# Allegro board 8880F5-0823_1_redwan.brd (continued)
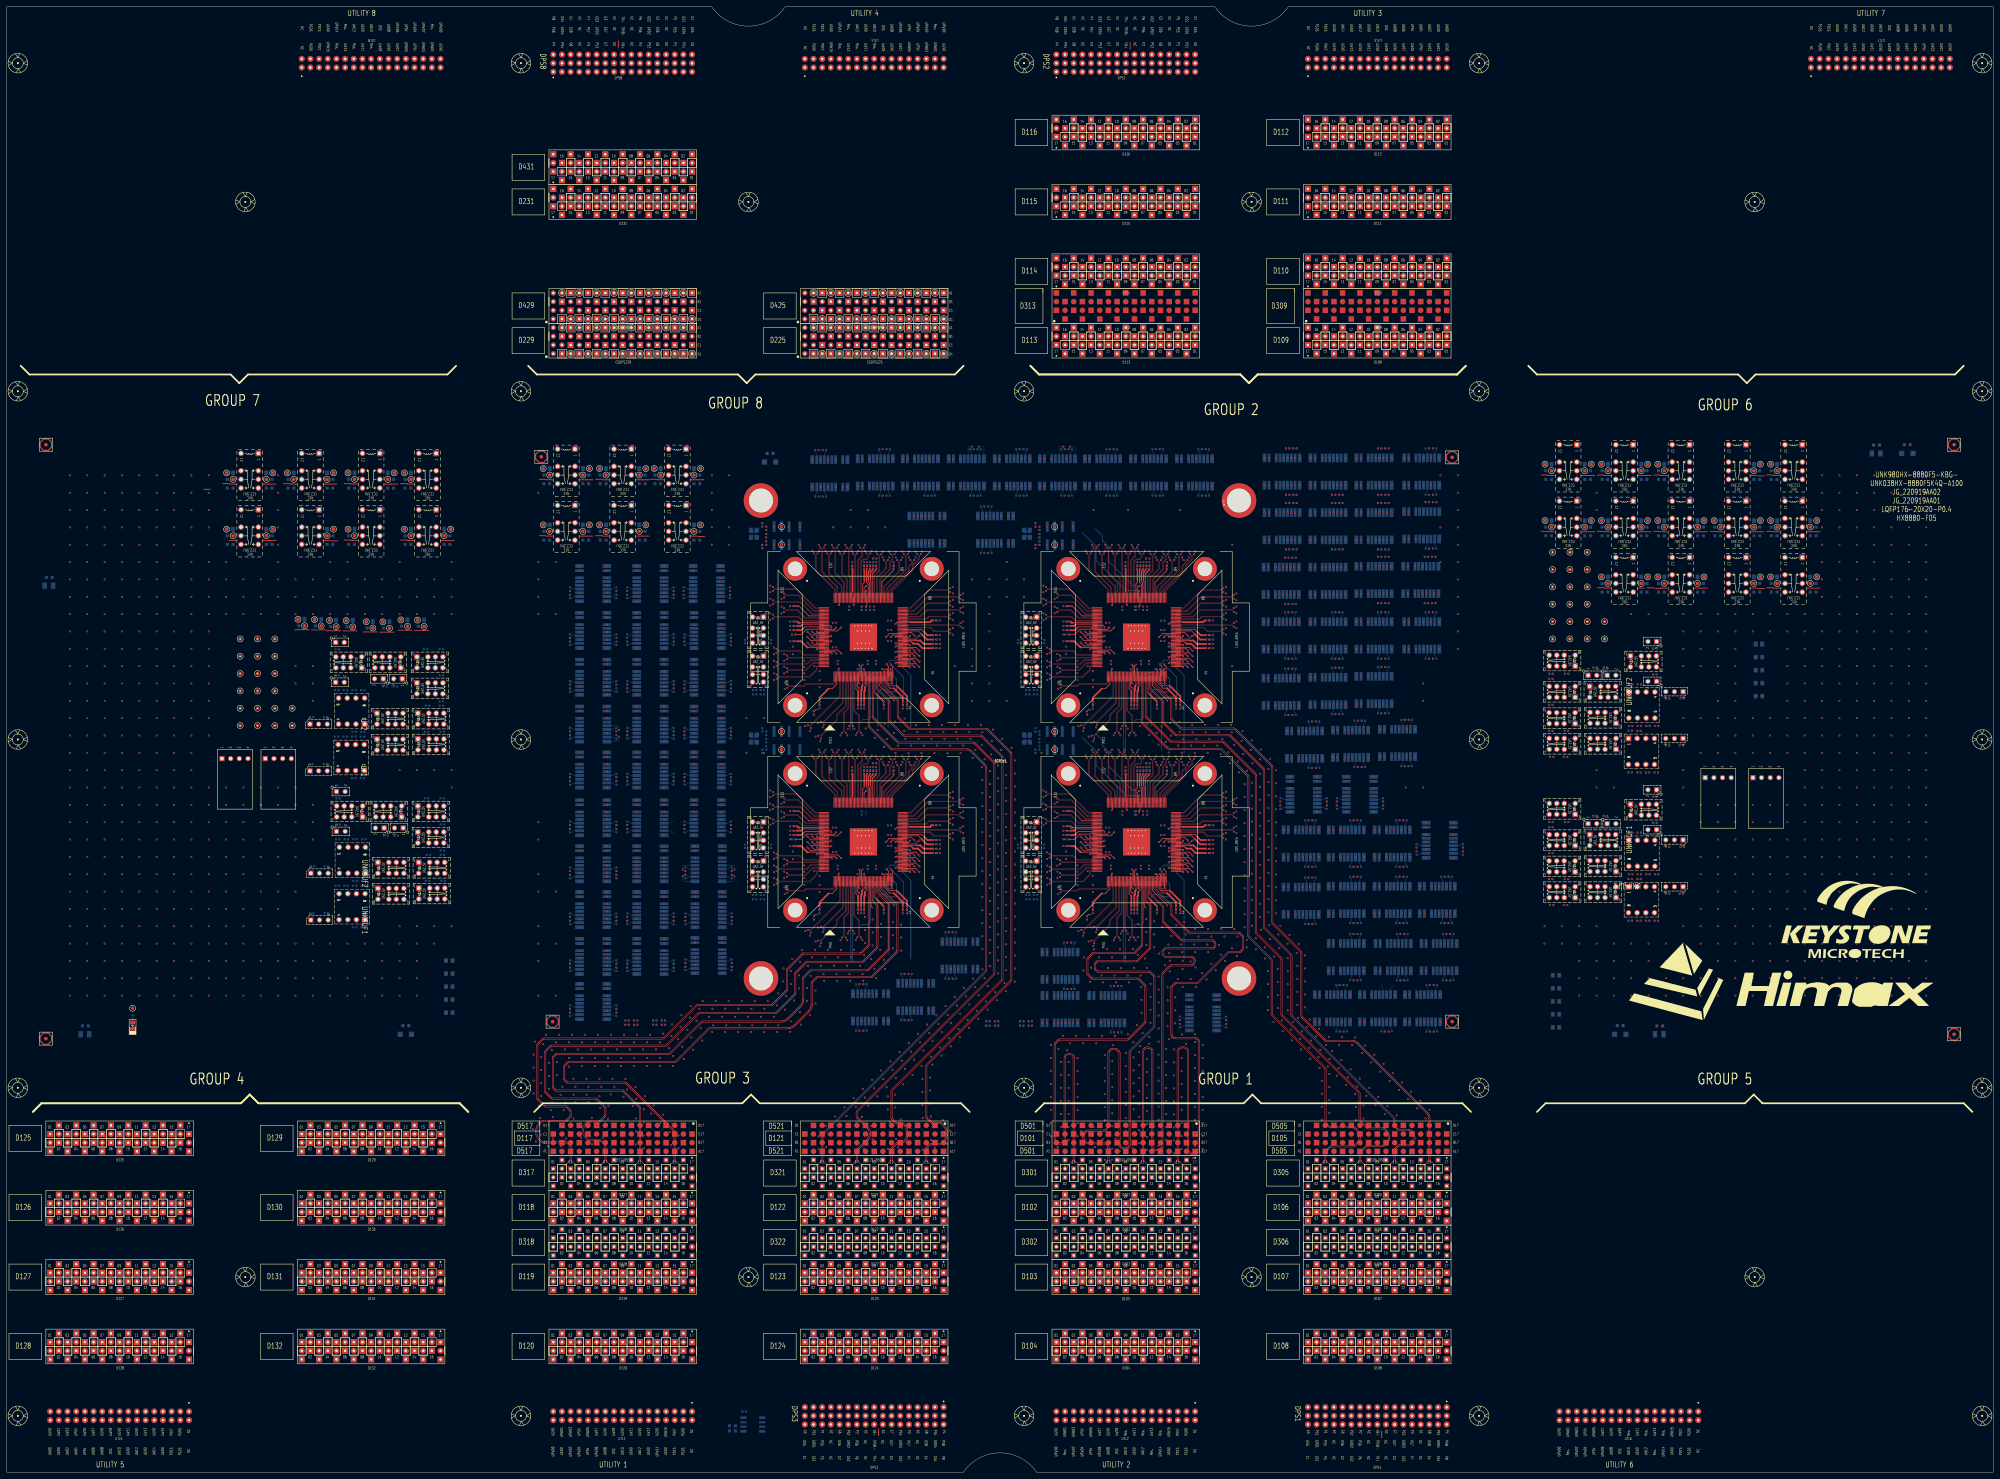
[diagram p0: board, top side]
## Placement (name value [footprint] x y rotation side) (continued)
NOREF#1973  -  []  298.13 274.06 90 top
NOREF#1974  -  []  383.83 209.11 0 top
NOREF#1975  -  []  182.82 189.04 90 top
NOREF#1976  -  []  369.38 241.11 0 top
NOREF#1977  -  []  165.8 158.5 0 top
NOREF#1978  -  []  383.83 194.68 90 top
NOREF#1979  -  []  322.62 139.64 0 top
NOREF#1980  -  []  386.46 139.89 0 top
NOREF#1981  -  []  259.65 205.86 90 top
NOREF#1982  -  []  352.25 184.86 90 top
NOREF#1983  -  []  314.33 228.13 90 top
NOREF#1984  -  []  259.84 133.29 90 top
NOREF#1985  -  []  461.96 210.36 0 top
NOREF#1986  -  []  259.84 145.09 0 top
NOREF#1987  -  []  105.93 204.27 90 top
NOREF#1988  -  []  390.34 192.28 90 top
NOREF#1989  -  []  340.61 286.96 90 top
NOREF#1990  -  []  168.13 145.38 90 top
NOREF#1991  -  []  404.15 273.11 0 top
NOREF#1992  -  []  118.74 215.34 0 top
NOREF#1993  -  []  409.74 163.69 90 top
NOREF#1994  -  []  167.7 176.66 90 top
NOREF#1995  -  []  346.27 135.17 90 top
NOREF#1996  -  []  450.03 166.93 0 top
NOREF#1997  -  []  317.66 224.72 0 top
NOREF#1998  -  []  230.41 253.37 90 top
NOREF#1999  -  []  330.17 165.04 90 top
NOREF#2000  -  []  412.62 297.12 0 top
NOREF#2001  -  []  343.2 172.26 90 top
NOREF#2002  -  []  108.01 214.71 0 top
NOREF#2003  -  []  167.7 201.89 90 top
NOREF#2004  -  []  403.99 171.64 0 top
NOREF#2005  -  []  317.98 223.82 90 top
NOREF#2006  -  []  383.09 257.11 0 top
NOREF#2007  -  []  175.7 246.08 90 top
NOREF#2008  -  []  456.04 222.5 0 top
NOREF#2009  -  []  222.11 180.71 0 top
NOREF#2010  -  []  351.04 184.23 0 top
NOREF#2011  -  []  106.36 190.55 0 top
NOREF#2012  -  []  451.68 171.53 0 top
NOREF#2013  -  []  127.84 167.9 90 top
NOREF#2014  -  []  167.7 151.68 90 top
NOREF#2015  -  []  419.4 171.64 0 top
NOREF#2016  -  []  209.49 164.3 90 top
NOREF#2017  -  []  409.49 180.15 0 top
NOREF#2018  -  []  472.86 174.55 90 top
NOREF#2019  -  []  263.63 223.82 90 top
NOREF#2020  -  []  221.56 190.49 0 top
NOREF#2021  -  []  94.93 190.55 0 top
NOREF#2022  -  []  331.62 265.56 90 top
NOREF#2023  -  []  554.86 298.45 0 top
NOREF#2024  -  []  201.23 241.43 0 top
NOREF#2025  -  []  415.1 163.64 0 top
NOREF#2026  -  []  397.38 163.64 90 top
NOREF#2027  -  []  295.96 188.49 0 top
NOREF#2028  -  []  118.96 179.19 0 top
NOREF#2029  -  []  220.36 248.49 0 top
NOREF#2030  -  []  337.9 186.99 0 top
NOREF#2031  -  []  252.6 296.86 0 top
NOREF#2032  -  []  201.23 233.47 90 top
NOREF#2033  -  []  511.59 276.41 90 top
NOREF#2034  -  []  122.41 178.64 0 top
NOREF#2035  -  []  250.74 164.72 0 top
NOREF#2036  -  []  254.29 205.55 0 top
NOREF#2037  -  []  229.51 243.41 0 top
NOREF#2038  -  []  230.43 248.88 0 top
NOREF#2039  -  []  234.7 298.51 0 top
NOREF#2040  -  []  300.36 248.49 0 top
NOREF#2041  -  []  384.36 131.89 0 top
NOREF#2042  -  []  352.25 183.59 90 top
NOREF#2043  -  []  310.41 193.37 90 top
NOREF#2044  -  []  305.94 296.86 0 top
NOREF#2045  -  []  272.25 182.32 90 top
NOREF#2046  -  []  306.71 152.34 0 top
NOREF#2047  -  []  383.73 195.88 90 top
NOREF#2048  -  []  333.4 265.55 0 top
NOREF#2049  -  []  296.81 275.94 0 top
NOREF#2050  -  []  379.52 188.15 0 top
NOREF#2051  -  []  201.66 186.02 90 top
NOREF#2052  -  []  459.28 227 90 top
NOREF#2053  -  []  339.33 265.55 0 top
NOREF#2054  -  []  310.41 248.88 90 top
NOREF#2055  -  []  226.83 209.63 90 top
NOREF#2056  -  []  448.94 292.92 90 top
NOREF#2057  -  []  343.95 223.52 90 top
NOREF#2058  -  []  271.04 249.18 0 top
NOREF#2059  -  []  184.47 192.32 90 top
NOREF#2060  -  []  250.49 224.74 90 top
NOREF#2061  -  []  420.62 271.47 90 top
NOREF#2062  -  []  390.69 289.12 0 top
NOREF#2063  -  []  310.83 164.63 0 top
NOREF#2064  -  []  211.11 173.86 90 top
NOREF#2065  -  []  412.62 281.37 0 top
NOREF#2066  -  []  201.49 151.93 90 top
NOREF#2067  -  []  272.24 249.18 90 top
NOREF#2068  -  []  351.04 181.69 0 top
NOREF#2069  -  []  230.43 247.61 0 top
NOREF#2070  -  []  392.24 194.78 90 top
NOREF#2071  -  []  199.33 226.57 90 top
NOREF#2072  -  []  310.41 186.34 90 top
NOREF#2073  -  []  295.96 177.06 0 top
NOREF#2074  -  []  352.24 242.32 90 top
NOREF#2075  -  []  310.43 248.88 90 top
NOREF#2076  -  []  119.95 187.53 0 top
NOREF#2077  -  []  249.85 224.72 0 top
NOREF#2078  -  []  459.24 175.86 90 top
NOREF#2079  -  []  245.15 288.66 90 top
NOREF#2080  -  []  247.25 265.55 0 top
NOREF#2081  -  []  271.04 241.69 0 top
NOREF#2082  -  []  408.02 239.21 0 top
NOREF#2083  -  []  101.82 271.33 90 top
NOREF#2084  -  []  330.17 163.82 90 top
NOREF#2085  -  []  118.99 166.5 90 top
NOREF#2086  -  []  309.51 186.66 0 top
NOREF#2087  -  []  271.34 241.37 0 top
NOREF#2088  -  []  450.03 182.17 0 top
NOREF#2089  -  []  396.55 225.11 0 top
NOREF#2090  -  []  223.15 211.32 90 top
NOREF#2091  -  []  336.77 225.04 90 top
NOREF#2092  -  []  394 217.36 0 top
NOREF#2093  -  []  175.7 189.02 90 top
NOREF#2094  -  []  295.96 188.49 0 top
NOREF#2095  -  []  209.23 230.17 90 top
NOREF#2096  -  []  339.97 204.35 90 top
NOREF#2097  -  []  388.43 163.64 0 top
NOREF#2098  -  []  420.15 131.44 90 top
NOREF#2099  -  []  392.73 188.15 0 top
NOREF#2100  -  []  272.24 249.18 90 top
NOREF#2101  -  []  334.29 205.55 0 top
NOREF#2102  -  []  177.33 187.32 90 top
NOREF#2103  -  []  461.86 187.32 0 top
NOREF#2104  -  []  352.24 183.59 90 top
NOREF#2105  -  []  192.57 256.4 90 top
NOREF#2106  -  []  261.63 233.83 90 top
NOREF#2107  -  []  313.98 131.09 90 top
NOREF#2108  -  []  341.63 255.43 90 top
NOREF#2109  -  []  165.8 131.57 0 top
NOREF#2110  -  []  271.34 245.18 0 top
NOREF#2111  -  []  415.61 181.32 90 top
NOREF#2112  -  []  392.24 199.18 90 top
NOREF#2113  -  []  471.11 186.77 0 top
NOREF#2114  -  []  396.55 225.11 0 top
NOREF#2115  -  []  415.6 146.88 0 top
NOREF#2116  -  []  167.7 258.7 90 top
NOREF#2117  -  []  167.7 161 90 top
NOREF#2118  -  []  351.04 189.18 0 top
NOREF#2119  -  []  400.24 195.88 90 top
NOREF#2120  -  []  119.7 238.84 0 top
NOREF#2121  -  []  254.29 205.56 0 top
NOREF#2122  -  []  199.08 254 90 top
NOREF#2123  -  []  271.82 134.74 90 top
NOREF#2124  -  []  319.33 176.03 0 top
NOREF#2125  -  []  449.99 174.46 0 top
NOREF#2126  -  []  352.25 181.69 0 top
NOREF#2127  -  []  409.17 281.37 0 top
NOREF#2128  -  []  390.53 146.88 0 top
NOREF#2129  -  []  313.56 144.34 90 top
NOREF#2130  -  []  259.65 204.65 90 top
NOREF#2131  -  []  401.89 180.15 0 top
NOREF#2132  -  []  192.57 201.79 90 top
NOREF#2133  -  []  262.04 164.74 0 top
NOREF#2134  -  []  334.61 204.65 90 top
NOREF#2135  -  []  342.08 290.13 90 top
NOREF#2136  -  []  228.36 202.16 45 top
NOREF#2137  -  []  127.7 238.84 0 top
NOREF#2138  -  []  273.81 286.96 90 top
NOREF#2139  -  []  175.8 160.9 90 top
NOREF#2140  -  []  229.21 187.61 0 top
NOREF#2141  -  []  120.24 171.1 0 top
NOREF#2142  -  []  405.5 257.37 90 top
NOREF#2143  -  []  257.9 246.99 0 top
NOREF#2144  -  []  473.79 234.49 90 top
NOREF#2145  -  []  251.62 205.56 0 top
NOREF#2146  -  []  451.68 195.91 0 top
NOREF#2147  -  []  182.57 254 0 top
NOREF#2148  -  []  252.51 205.56 90 top
NOREF#2149  -  []  167.7 229.07 90 top
NOREF#2150  -  []  408.28 129.99 0 top
NOREF#2151  -  []  451.68 239.34 0 top
NOREF#2152  -  []  383.09 224.85 0 top
NOREF#2153  -  []  122.15 222.33 0 top
NOREF#2154  -  []  230.41 248.88 90 top
NOREF#2155  -  []  257.09 163.52 90 top
NOREF#2156  -  []  175.7 175.56 90 top
NOREF#2157  -  []  115.61 191.95 0 top
NOREF#2158  -  []  392.47 288.67 90 top
NOREF#2159  -  []  325.92 131.64 0 top
NOREF#2160  -  []  108.01 222.33 0 top
NOREF#2161  -  []  375.22 180.15 0 top
NOREF#2162  -  []  341.63 173.83 90 top
NOREF#2163  -  []  175.7 164.3 90 top
NOREF#2164  -  []  302.11 180.71 0 top
NOREF#2165  -  []  383.09 273.11 0 top
NOREF#2166  -  []  320.94 151.63 90 top
NOREF#2167  -  []  185.2 273.5 90 top
NOREF#2168  -  []  106.11 234.24 0 top
NOREF#2169  -  []  247.89 264.35 90 top
NOREF#2170  -  []  167.7 227.72 0 top
NOREF#2171  -  []  229.51 247.93 0 top
NOREF#2172  -  []  167.7 151.68 90 top
NOREF#2173  -  []  393.19 255.21 90 top
NOREF#2174  -  []  396.55 289.12 0 top
NOREF#2175  -  []  402.06 217.61 0 top
NOREF#2176  -  []  182.57 185.42 0 top
NOREF#2177  -  []  184.47 206.29 90 top
NOREF#2178  -  []  330.17 225.04 90 top
NOREF#2179  -  []  330.49 224.74 90 top
NOREF#2180  -  []  250.49 164.74 90 top
NOREF#2181  -  []  66.26 287.84 90 top
NOREF#2182  -  []  201.49 178.86 90 top
NOREF#2183  -  []  272.8 145.48 90 top
NOREF#2184  -  []  331.22 193.63 0 top
NOREF#2185  -  []  262.04 224.72 0 top
NOREF#2186  -  []  304.61 131.64 0 top
NOREF#2187  -  []  226.85 211.67 0 top
NOREF#2188  -  []  367.73 274.38 90 top
NOREF#2189  -  []  240.5 288.61 0 top
NOREF#2190  -  []  249.6 164.74 90 top
NOREF#2191  -  []  405.5 225.11 90 top
NOREF#2192  -  []  257.09 223.52 90 top
NOREF#2193  -  []  333.72 204.65 90 top
NOREF#2194  -  []  184.47 165.4 90 top
NOREF#2195  -  []  276.4 147.38 0 top
NOREF#2196  -  []  118.96 179.19 0 top
NOREF#2197  -  []  168.13 186.02 90 top
NOREF#2198  -  []  230.43 186.34 0 top
NOREF#2199  -  []  184.47 231.27 90 top
NOREF#2200  -  []  405.93 256.82 90 top
NOREF#2201  -  []  385.18 209.11 90 top
NOREF#2202  -  []  383.09 224.85 0 top
NOREF#2203  -  []  528.1 276.41 90 top
NOREF#2204  -  []  309.51 246.66 0 top
NOREF#2205  -  []  118.74 215.34 0 top
NOREF#2206  -  []  333.72 264.65 90 top
NOREF#2207  -  []  351.58 288.86 0 top
NOREF#2208  -  []  242.23 173.13 90 top
NOREF#2209  -  []  251.38 224.74 90 top
NOREF#2210  -  []  351.04 189.82 0 top
NOREF#2211  -  []  473.7 176.22 90 top
NOREF#2212  -  []  385.93 161.74 0 top
NOREF#2213  -  []  342.04 164.72 0 top
NOREF#2214  -  []  456.08 214.96 0 top
NOREF#2215  -  []  75.98 273.87 90 top
NOREF#2216  -  []  167.7 200.54 0 top
NOREF#2217  -  []  385.61 208.56 90 top
NOREF#2218  -  []  351.04 182.96 0 top
NOREF#2219  -  []  273.09 288.31 90 top
NOREF#2220  -  []  184.47 242.78 90 top
NOREF#2221  -  []  258.2 186.67 0 top
NOREF#2222  -  []  312.25 271.67 90 top
NOREF#2223  -  []  461.86 230.75 0 top
NOREF#2224  -  []  424.47 163.19 90 top
NOREF#2225  -  []  450.03 225.6 0 top
NOREF#2226  -  []  209.59 147.43 90 top
NOREF#2227  -  []  343.31 164.72 0 top
NOREF#2228  -  []  221.56 182.89 0 top
NOREF#2229  -  []  395.2 281.11 0 top
NOREF#2230  -  []  230.43 249.52 0 top
NOREF#2231  -  []  261.63 173.83 90 top
NOREF#2232  -  []  182.82 230.19 90 top
NOREF#2233  -  []  209.49 155.13 90 top
NOREF#2234  -  []  377.32 188.15 0 top
NOREF#2235  -  []  259.33 265.55 0 top
NOREF#2236  -  []  192.47 202.99 90 top
NOREF#2237  -  []  175.8 215.25 90 top
NOREF#2238  -  []  209.33 228.97 90 top
NOREF#2239  -  []  167.7 136.27 90 top
NOREF#2240  -  []  310.73 253.69 0 top
NOREF#2241  -  []  352.25 249.18 90 top
NOREF#2242  -  []  209.23 209.49 90 top
NOREF#2243  -  []  251.94 204.65 90 top
NOREF#2244  -  []  304.65 211.67 0 top
NOREF#2245  -  []  115.87 167.82 90 top
NOREF#2246  -  []  399.07 208.81 90 top
NOREF#2247  -  []  327.57 204.65 90 top
NOREF#2248  -  []  301.56 171.46 0 top
NOREF#2249  -  []  338.2 246.67 0 top
NOREF#2250  -  []  230.73 253.69 0 top
NOREF#2251  -  []  209.23 189.02 90 top
NOREF#2252  -  []  121.9 238.84 0 top
NOREF#2253  -  []  478.57 293.82 90 top
NOREF#2254  -  []  392.47 272.56 90 top
NOREF#2255  -  []  352.55 181.37 0 top
NOREF#2256  -  []  414.57 265.37 0 top
NOREF#2257  -  []  262.36 296.86 0 top
NOREF#2258  -  []  110.21 222.33 0 top
NOREF#2259  -  []  252.51 204.35 90 top
NOREF#2260  -  []  184.47 201.89 90 top
NOREF#2261  -  []  209.33 215.25 90 top
NOREF#2262  -  []  378.33 209.11 0 top
NOREF#2263  -  []  302.11 240.71 0 top
NOREF#2264  -  []  352.25 242.96 0 top
NOREF#2265  -  []  175.7 218.65 90 top
NOREF#2266  -  []  209.49 182.06 90 top
NOREF#2267  -  []  182.57 240.28 0 top
NOREF#2268  -  []  175.7 195.52 90 top
NOREF#2269  -  []  218.16 177.06 0 top
NOREF#2270  -  []  184.47 173.11 0 top
NOREF#2271  -  []  470.71 227 90 top
NOREF#2272  -  []  334.29 265.56 0 top
NOREF#2273  -  []  317.57 209.63 90 top
NOREF#2274  -  []  373.32 181.42 90 top
NOREF#2275  -  []  194.09 173.86 90 top
NOREF#2276  -  []  127.3 228.02 90 top
NOREF#2277  -  []  415.61 179.97 0 top
NOREF#2278  -  []  192.47 246.08 90 top
NOREF#2279  -  []  215.96 188.49 0 top
NOREF#2280  -  []  376.98 241.11 0 top
NOREF#2281  -  []  249.28 223.82 90 top
NOREF#2282  -  []  184.47 219.75 90 top
NOREF#2283  -  []  252.51 265.56 0 top
NOREF#2284  -  []  118.33 289.48 90 top
NOREF#2285  -  []  184.47 200.54 0 top
NOREF#2286  -  []  201.23 241.43 90 top
NOREF#2287  -  []  377.23 257.16 90 top
NOREF#2288  -  []  310.43 189.52 0 top
NOREF#2289  -  []  368.28 297.12 0 top
NOREF#2290  -  []  215.96 177.06 0 top
NOREF#2291  -  []  184.89 213.45 90 top
NOREF#2292  -  []  168.13 199.99 90 top
NOREF#2293  -  []  271.34 181.37 0 top
NOREF#2294  -  []  246.63 130.24 90 top
NOREF#2295  -  []  275.82 296.86 0 top
NOREF#2296  -  []  378.33 224.6 90 top
NOREF#2297  -  []  118.7 195.7 0 top
NOREF#2298  -  []  332.51 205.56 90 top
NOREF#2299  -  []  401.87 139.89 0 top
NOREF#2300  -  []  319.33 176.03 90 top
NOREF#2301  -  []  419.9 272.82 90 top
NOREF#2302  -  []  410.27 257.37 0 top
NOREF#2303  -  []  112.67 178.64 0 top
NOREF#2304  -  []  478.57 277.31 90 top
NOREF#2305  -  []  115.36 235.64 90 top
NOREF#2306  -  []  393.19 239.21 90 top
NOREF#2307  -  []  177.33 242.18 90 top
NOREF#2308  -  []  118.7 217.73 90 top
NOREF#2309  -  []  35.83 132.61 0 top
NOREF#2310  -  []  343.83 171.63 90 top
NOREF#2311  -  []  184.47 204.09 90 top
NOREF#2312  -  []  401.89 163.64 0 top
NOREF#2313  -  []  342.04 224.74 0 top
NOREF#2314  -  []  201.23 214 90 top
NOREF#2315  -  []  317.66 224.74 0 top
NOREF#2316  -  []  344.37 128.27 90 top
NOREF#2317  -  []  395.2 249.11 0 top
NOREF#2318  -  []  225.83 204.31 0 top
NOREF#2319  -  []  251.62 265.56 90 top
NOREF#2320  -  []  392.24 199.18 90 top
NOREF#2321  -  []  115.99 130.36 90 top
NOREF#2322  -  []  383.09 224.85 0 top
NOREF#2323  -  []  332.51 265.55 0 top
NOREF#2324  -  []  168.13 213.45 90 top
NOREF#2325  -  []  528.1 257.36 90 top
NOREF#2326  -  []  419.9 288.57 90 top
NOREF#2327  -  []  329.85 164.72 0 top
NOREF#2328  -  []  167.7 163.2 90 top
NOREF#2329  -  []  352.25 241.69 0 top
NOREF#2330  -  []  396.55 257.37 0 top
NOREF#2331  -  []  339.33 205.55 0 top
NOREF#2332  -  []  115.61 191.95 90 top
NOREF#2333  -  []  311.44 288.86 0 top
NOREF#2334  -  []  98.53 238.84 0 top
NOREF#2335  -  []  352.24 182.32 90 top
NOREF#2336  -  []  400.24 198.08 90 top
NOREF#2337  -  []  271.34 185.18 0 top
NOREF#2338  -  []  108.27 171.02 0 top
NOREF#2339  -  []  461.86 230.75 0 top
NOREF#2340  -  []  168.13 254.6 90 top
NOREF#2341  -  []  300.36 177.06 0 top
NOREF#2342  -  []  250.17 223.82 90 top
NOREF#2343  -  []  310.41 243.09 90 top
NOREF#2344  -  []  119.95 195.15 0 top
NOREF#2345  -  []  261.21 286.96 0 top
NOREF#2346  -  []  117.01 234.24 90 top
NOREF#2347  -  []  308.91 139.64 0 top
NOREF#2348  -  []  251.94 205.86 90 top
NOREF#2349  -  []  250.18 182.88 0 top
NOREF#2350  -  []  310.41 253.37 90 top
NOREF#2351  -  []  352.55 245.18 0 top
NOREF#2352  -  []  201.23 244.98 90 top
NOREF#2353  -  []  184.89 172.56 90 top
NOREF#2354  -  []  35.83 128.17 90 top
NOREF#2355  -  []  471.21 219.38 90 top
NOREF#2356  -  []  420.15 131.34 90 top
NOREF#2357  -  []  369.38 224.6 0 top
NOREF#2358  -  []  238.3 163.52 90 top
NOREF#2359  -  []  184.47 159.65 0 top
NOREF#2360  -  []  184.47 227.72 0 top
NOREF#2361  -  []  334.61 205.86 90 top
NOREF#2362  -  []  106.76 222.88 0 top
NOREF#2363  -  []  120.21 178.64 0 top
NOREF#2364  -  []  192.47 175.56 90 top
NOREF#2365  -  []  309.51 189.2 0 top
NOREF#2366  -  []  309.51 183.41 0 top
NOREF#2367  -  []  272.25 189.18 90 top
NOREF#2368  -  []  184.47 241.43 0 top
NOREF#2369  -  []  411.26 163.19 90 top
NOREF#2370  -  []  463.11 186.77 0 top
NOREF#2371  -  []  369.63 289.12 0 top
NOREF#2372  -  []  221.56 171.46 0 top
NOREF#2373  -  []  290.64 288.86 0 top
NOREF#2374  -  []  336.45 164.74 0 top
NOREF#2375  -  []  310.43 193.37 90 top
NOREF#2376  -  []  192.47 205.19 90 top
NOREF#2377  -  []  312.46 144.39 90 top
NOREF#2378  -  []  251.06 165.04 90 top
NOREF#2379  -  []  386.53 164.91 90 top
NOREF#2380  -  []  331.06 163.82 90 top
NOREF#2381  -  []  392.47 224.3 90 top
NOREF#2382  -  []  184.47 217.55 90 top
NOREF#2383  -  []  310.43 188.88 90 top
NOREF#2384  -  []  121.9 231.22 0 top
NOREF#2385  -  []  310.41 188.88 90 top
NOREF#2386  -  []  230.43 193.37 90 top
NOREF#2387  -  []  253.4 205.56 90 top
NOREF#2388  -  []  184.47 186.57 90 top
NOREF#2389  -  []  94.93 190.55 0 top
NOREF#2390  -  []  399.67 139.89 0 top
NOREF#2391  -  []  351.34 243.91 0 top
NOREF#2392  -  []  215.96 177.06 0 top
NOREF#2393  -  []  230.73 243.41 0 top
NOREF#2394  -  []  104.18 191.95 90 top
NOREF#2395  -  []  397.8 163.19 90 top
NOREF#2396  -  []  412.79 209.16 90 top
NOREF#2397  -  []  371.73 273.11 0 top
NOREF#2398  -  []  463.61 179.15 0 top
NOREF#2399  -  []  390.94 273.16 90 top
NOREF#2400  -  []  411.01 209.61 0 top
NOREF#2401  -  []  110.47 171.02 0 top
NOREF#2402  -  []  66.26 290.38 90 top
NOREF#2403  -  []  309.51 247.93 0 top
NOREF#2404  -  []  240.83 194.63 0 top
NOREF#2405  -  []  465.81 214.96 0 top
NOREF#2406  -  []  167.7 174.46 90 top
NOREF#2407  -  []  331.62 204.35 90 top
NOREF#2408  -  []  209.23 250.38 90 top
NOREF#2409  -  []  333.4 264.35 90 top
NOREF#2410  -  []  232.25 211.67 90 top
NOREF#2411  -  []  286.81 272.1 0 top
NOREF#2412  -  []  375.73 196.98 90 top
NOREF#2413  -  []  309.05 271.67 0 top
NOREF#2414  -  []  248.96 164.74 0 top
NOREF#2415  -  []  419.73 131.89 90 top
NOREF#2416  -  []  272.25 242.32 90 top
NOREF#2417  -  []  451.64 222.5 0 top
NOREF#2418  -  []  263.63 225.04 90 top
NOREF#2419  -  []  250.23 132.14 0 top
NOREF#2420  -  []  465.45 273.87 90 top
NOREF#2421  -  []  298.16 248.49 0 top
NOREF#2422  -  []  352.24 243.59 90 top
NOREF#2423  -  []  352.25 182.32 90 top
NOREF#2424  -  []  450.03 210.36 0 top
NOREF#2425  -  []  420.37 255.47 90 top
NOREF#2426  -  []  354.27 131.87 90 top
NOREF#2427  -  []  259.33 205.56 90 top
NOREF#2428  -  []  367.48 242.38 90 top
NOREF#2429  -  []  274.67 286.96 0 top
NOREF#2430  -  []  333.4 265.56 0 top
NOREF#2431  -  []  201.21 276.04 90 top
NOREF#2432  -  []  251.62 265.55 0 top
NOREF#2433  -  []  405.42 131.94 90 top
NOREF#2434  -  []  405.93 224.56 90 top
NOREF#2435  -  []  352.24 241.05 90 top
NOREF#2436  -  []  209.23 246.08 90 top
NOREF#2437  -  []  272.24 184.86 90 top
NOREF#2438  -  []  184.47 145.93 90 top
NOREF#2439  -  []  313.98 131.19 90 top
NOREF#2440  -  []  256.45 224.72 0 top
NOREF#2441  -  []  306.83 269.63 90 top
NOREF#2442  -  []  368.03 265.11 0 top
NOREF#2443  -  []  165.8 254 0 top
NOREF#2444  -  []  192.47 182.06 90 top
NOREF#2445  -  []  415.6 146.88 0 top
NOREF#2446  -  []  247.57 264.65 90 top
NOREF#2447  -  []  419.64 256.82 90 top
NOREF#2448  -  []  229.21 248.88 0 top
NOREF#2449  -  []  375.22 163.39 0 top
NOREF#2450  -  []  199.33 226.57 0 top
NOREF#2451  -  []  238.3 288.61 0 top
NOREF#2452  -  []  318.45 197.01 0 top
NOREF#2453  -  []  378.75 224.15 90 top
NOREF#2454  -  []  310.73 183.41 0 top
NOREF#2455  -  []  108.01 195.15 0 top
NOREF#2456  -  []  331.94 265.86 90 top
NOREF#2457  -  []  177.33 146.68 90 top
NOREF#2458  -  []  165.8 171.96 0 top
NOREF#2459  -  []  296.96 252.14 0 top
NOREF#2460  -  []  122.19 214.79 0 top
NOREF#2461  -  []  209.23 195.52 90 top
NOREF#2462  -  []  308.14 296.86 0 top
NOREF#2463  -  []  354.08 286.96 90 top
NOREF#2464  -  []  262.34 143.19 0 top
NOREF#2465  -  []  352.25 249.82 0 top
NOREF#2466  -  []  306.71 139.64 0 top
NOREF#2467  -  []  109.96 238.84 0 top
NOREF#2468  -  []  201.66 213.45 90 top
NOREF#2469  -  []  310.73 193.69 0 top
NOREF#2470  -  []  248.61 290.13 90 top
NOREF#2471  -  []  218.16 248.49 0 top
NOREF#2472  -  []  418.12 273.37 0 top
NOREF#2473  -  []  319.33 243.63 90 top
NOREF#2474  -  []  373.68 249.11 0 top
NOREF#2475  -  []  450.03 210.36 0 top
NOREF#2476  -  []  318.32 131.64 0 top
NOREF#2477  -  []  321.35 296.86 0 top
NOREF#2478  -  []  332.51 265.56 90 top
NOREF#2479  -  []  390.69 257.11 0 top
NOREF#2480  -  []  192.47 236.67 90 top
NOREF#2481  -  []  272.25 245.5 0 top
NOREF#2482  -  []  330.74 164.72 0 top
NOREF#2483  -  []  394.66 258.64 90 top
NOREF#2484  -  []  379 288.57 90 top
NOREF#2485  -  []  373.68 265.11 0 top
NOREF#2486  -  []  478.57 257.36 90 top
NOREF#2487  -  []  200.98 256.5 90 top
NOREF#2488  -  []  456.08 239.34 0 top
NOREF#2489  -  []  405.93 288.67 90 top
NOREF#2490  -  []  310.73 243.41 0 top
NOREF#2491  -  []  303.56 185.29 90 top
NOREF#2492  -  []  199.33 212.85 90 top
NOREF#2493  -  []  271.04 249.82 0 top
NOREF#2494  -  []  390.69 241.11 0 top
NOREF#2495  -  []  377.48 289.17 90 top
NOREF#2496  -  []  352.25 184.23 0 top
NOREF#2497  -  []  330.74 224.72 0 top
NOREF#2498  -  []  388.43 180.15 0 top
NOREF#2499  -  []  380.59 239.21 0 top
NOREF#2500  -  []  403.41 209.61 0 top
NOREF#2501  -  []  259.33 265.56 90 top
NOREF#2502  -  []  216.96 180.71 0 top
NOREF#2503  -  []  385.19 224.85 0 top
NOREF#2504  -  []  388.43 146.88 0 top
NOREF#2505  -  []  192.47 216.45 90 top
NOREF#2506  -  []  209.49 175.56 90 top
NOREF#2507  -  []  403.99 163.64 0 top
NOREF#2508  -  []  482.64 235.89 90 top
NOREF#2509  -  []  184.47 163.2 90 top
NOREF#2510  -  []  334.61 264.65 90 top
NOREF#2511  -  []  172.08 289.11 90 top
NOREF#2512  -  []  184.47 161 90 top
NOREF#2513  -  []  338.36 288.91 90 top
NOREF#2514  -  []  381.86 129.99 0 top
NOREF#2515  -  []  118.7 190.55 90 top
NOREF#2516  -  []  226.27 156.63 90 top
NOREF#2517  -  []  337.09 164.74 90 top
NOREF#2518  -  []  165.8 226.57 90 top
NOREF#2519  -  []  201.23 229.07 90 top
NOREF#2520  -  []  251.38 223.52 90 top
NOREF#2521  -  []  288.74 290.13 90 top
NOREF#2522  -  []  317.57 269.63 90 top
NOREF#2523  -  []  311.15 219.63 90 top
NOREF#2524  -  []  272.24 242.32 90 top
NOREF#2525  -  []  383.73 202.38 90 top
NOREF#2526  -  []  119.99 214.79 0 top
NOREF#2527  -  []  263.83 171.63 90 top
NOREF#2528  -  []  309.21 187.61 0 top
NOREF#2529  -  []  406.52 131.89 90 top
NOREF#2530  -  []  336.77 163.82 90 top
NOREF#2531  -  []  336.45 224.74 0 top
NOREF#2532  -  []  383.73 198.08 90 top
NOREF#2533  -  []  331.38 223.52 90 top
NOREF#2534  -  []  456.08 195.91 0 top
NOREF#2535  -  []  248.33 187.93 0 top
NOREF#2536  -  []  401.89 180.15 0 top
NOREF#2537  -  []  380.59 287.22 0 top
NOREF#2538  -  []  217.41 273.24 90 top
NOREF#2539  -  []  465.45 292.92 90 top
NOREF#2540  -  []  119.95 222.33 0 top
NOREF#2541  -  []  402.14 146.88 0 top
NOREF#2542  -  []  377.48 273.16 90 top
NOREF#2543  -  []  302.11 252.14 0 top
NOREF#2544  -  []  331.86 252.43 90 top
NOREF#2545  -  []  410.84 180.15 90 top
NOREF#2546  -  []  398.65 249.11 0 top
NOREF#2547  -  []  247.25 204.35 90 top
NOREF#2548  -  []  337.9 186.35 90 top
NOREF#2549  -  []  201.49 161 90 top
NOREF#2550  -  []  192.47 230.17 90 top
NOREF#2551  -  []  453.88 214.96 0 top
NOREF#2552  -  []  301.56 190.49 0 top
NOREF#2553  -  []  184.47 190.12 90 top
NOREF#2554  -  []  461.96 174.55 0 top
NOREF#2555  -  []  251.62 264.35 90 top
NOREF#2556  -  []  339.65 204.65 90 top
NOREF#2557  -  []  209.33 242.68 90 top
NOREF#2558  -  []  263.71 288.86 0 top
NOREF#2559  -  []  230.73 193.69 0 top
NOREF#2560  -  []  371.48 265.11 0 top
NOREF#2561  -  []  257.09 224.74 90 top
NOREF#2562  -  []  415.1 163.64 0 top
NOREF#2563  -  []  253.4 265.56 0 top
NOREF#2564  -  []  251.33 140.14 0 top
NOREF#2565  -  []  310.43 187.61 0 top
NOREF#2566  -  []  199.33 185.42 0 top
NOREF#2567  -  []  115.61 219.13 90 top
NOREF#2568  -  []  293.66 272.15 90 top
NOREF#2569  -  []  333.4 204.35 90 top
NOREF#2570  -  []  332.83 204.65 90 top
NOREF#2571  -  []  184.47 151.68 90 top
NOREF#2572  -  []  167.7 233.47 90 top
R1  NC/1M-1-S4  [R0402]  221.23 227.84 180 bottom
R2  NC/1M-1-S4  [R0402]  218.95 227.84 0 bottom
R3  NC/100K-1-S4  [R0402]  184.15 131.06 180 bottom
R4  NC/100K-1-S4  [R0402]  181.61 131.06 180 bottom
R5  0-5-S4  [R0402]  222.38 272.16 270 bottom
R6  1M-1-S4  [R0402]  222.38 274.32 270 bottom
R7  49.9-1-S4  [R0402]  178.5 217.52 90 bottom
R8  49.9-1-S4  [R0402]  178.5 215.38 90 bottom
R9  49.9-1-S4  [R0402]  164.91 217.52 90 bottom
R10  49.9-1-S4  [R0402]  164.91 215.38 90 bottom
R11  49.9-1-S4  [R0402]  212.03 231.24 90 bottom
R12  49.9-1-S4  [R0402]  212.03 229.1 90 bottom
R13  49.9-1-S4  [R0402]  198.44 231.24 90 bottom
R14  49.9-1-S4  [R0402]  198.44 229.1 90 bottom
R15  49.9-1-S4  [R0402]  296.06 299.66 180 bottom
R16  49.9-1-S4  [R0402]  298.21 299.66 180 bottom
R17  49.9-1-S4  [R0402]  296.06 286.07 180 bottom
R18  49.9-1-S4  [R0402]  298.21 286.07 180 bottom
R19  49.9-1-S4  [R0402]  309.27 299.66 180 bottom
R20  49.9-1-S4  [R0402]  311.42 299.66 180 bottom
R21  49.9-1-S4  [R0402]  309.27 286.07 180 bottom
R22  49.9-1-S4  [R0402]  311.42 286.07 180 bottom
R23  49.9-1-S4  [R0402]  349.4 299.66 180 bottom
R24  49.9-1-S4  [R0402]  351.55 299.66 180 bottom
R25  49.9-1-S4  [R0402]  349.4 286.07 180 bottom
R26  49.9-1-S4  [R0402]  351.55 286.07 180 bottom
R27  49.9-1-S4  [R0402]  335.94 299.66 180 bottom